# Altium PCB MT32Pi_Main.PcbDoc
Units mm, origin at the board's own origin, x right, y up, seen from the top; angles counter-clockwise.
Board outline 56 x 65 mm, 2 copper layers (F.Cu, B.Cu), stack 1.671 mm thick; 11 components, 15 nets, 98 pads, 27 vias.
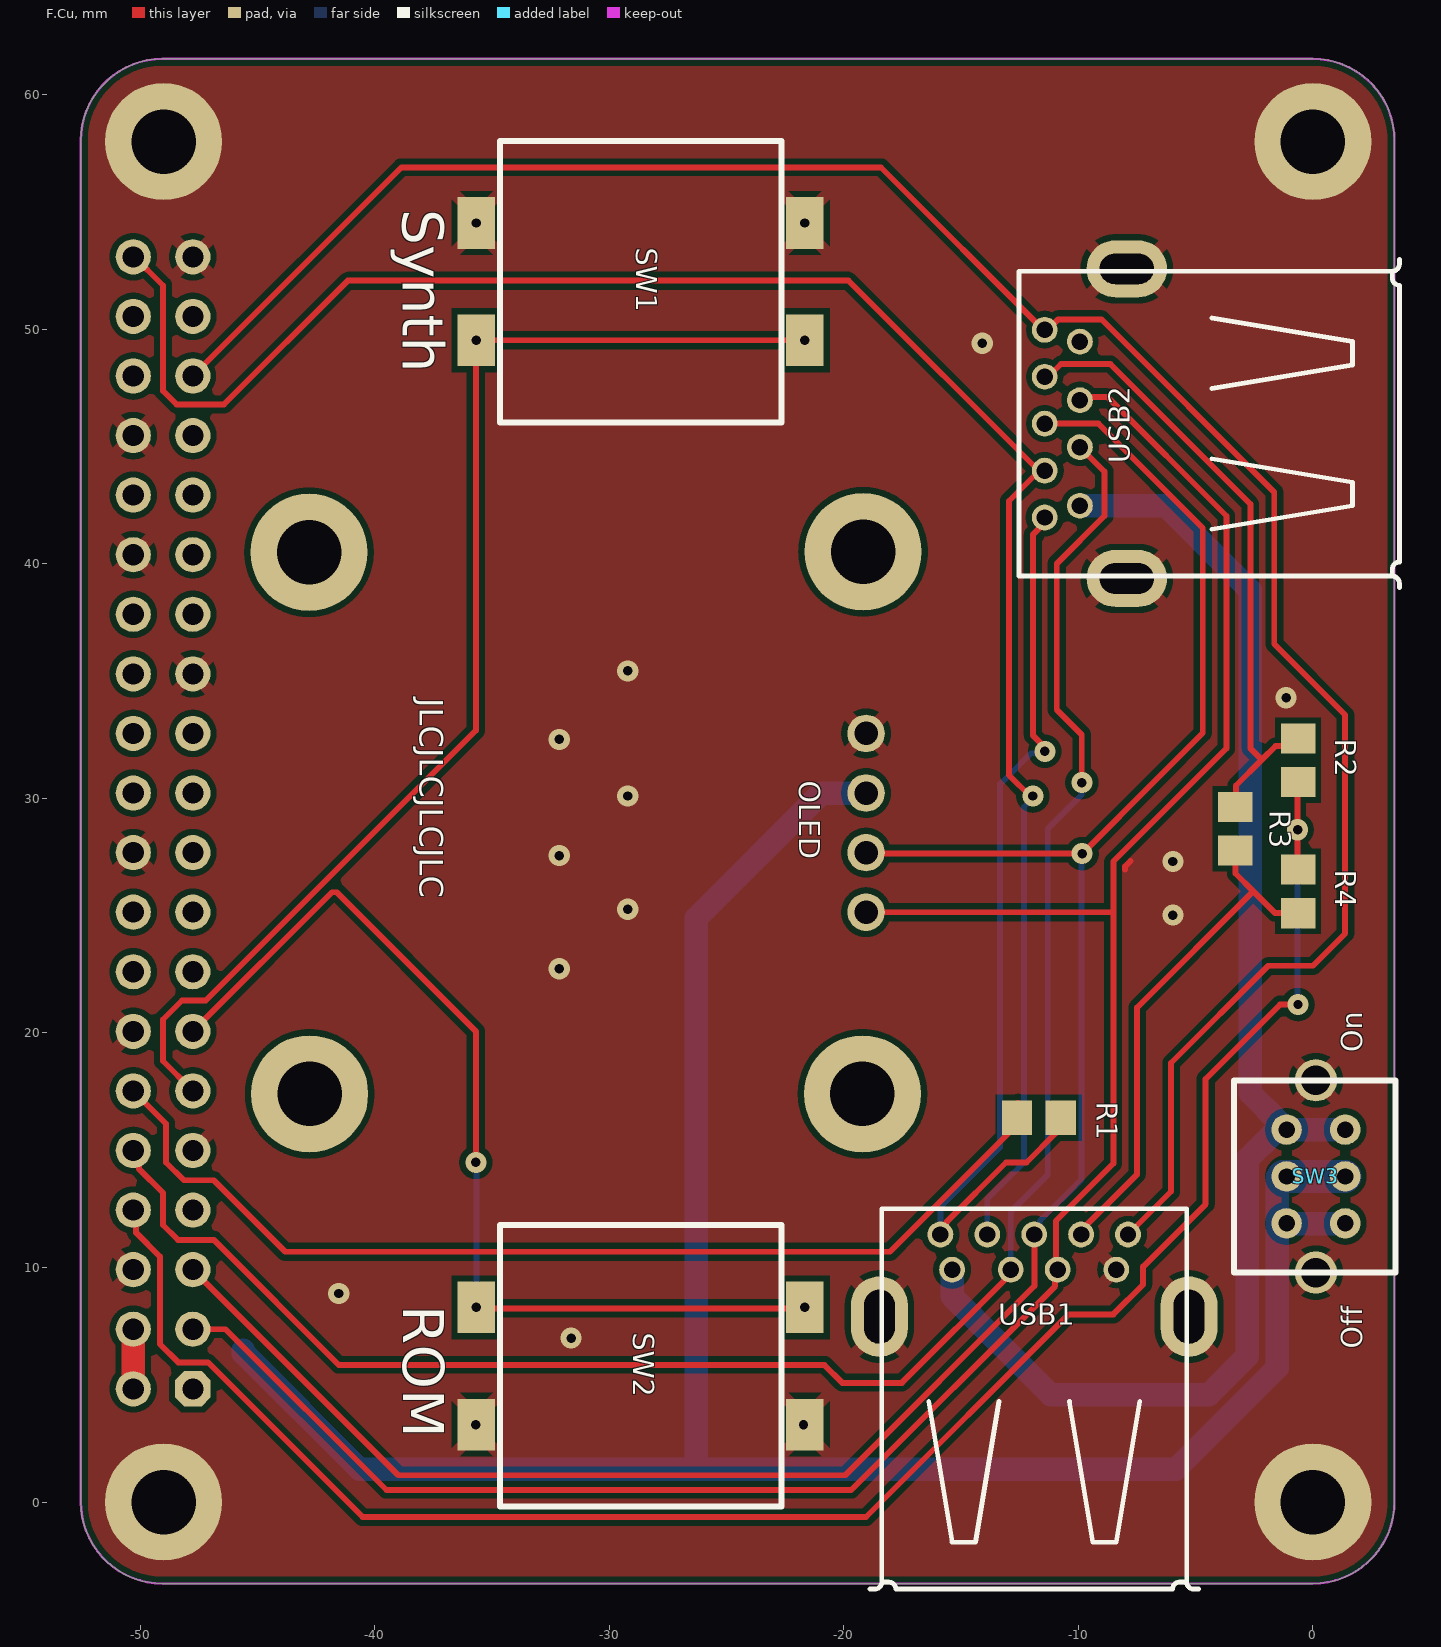
[diagram p0: F.Cu view]
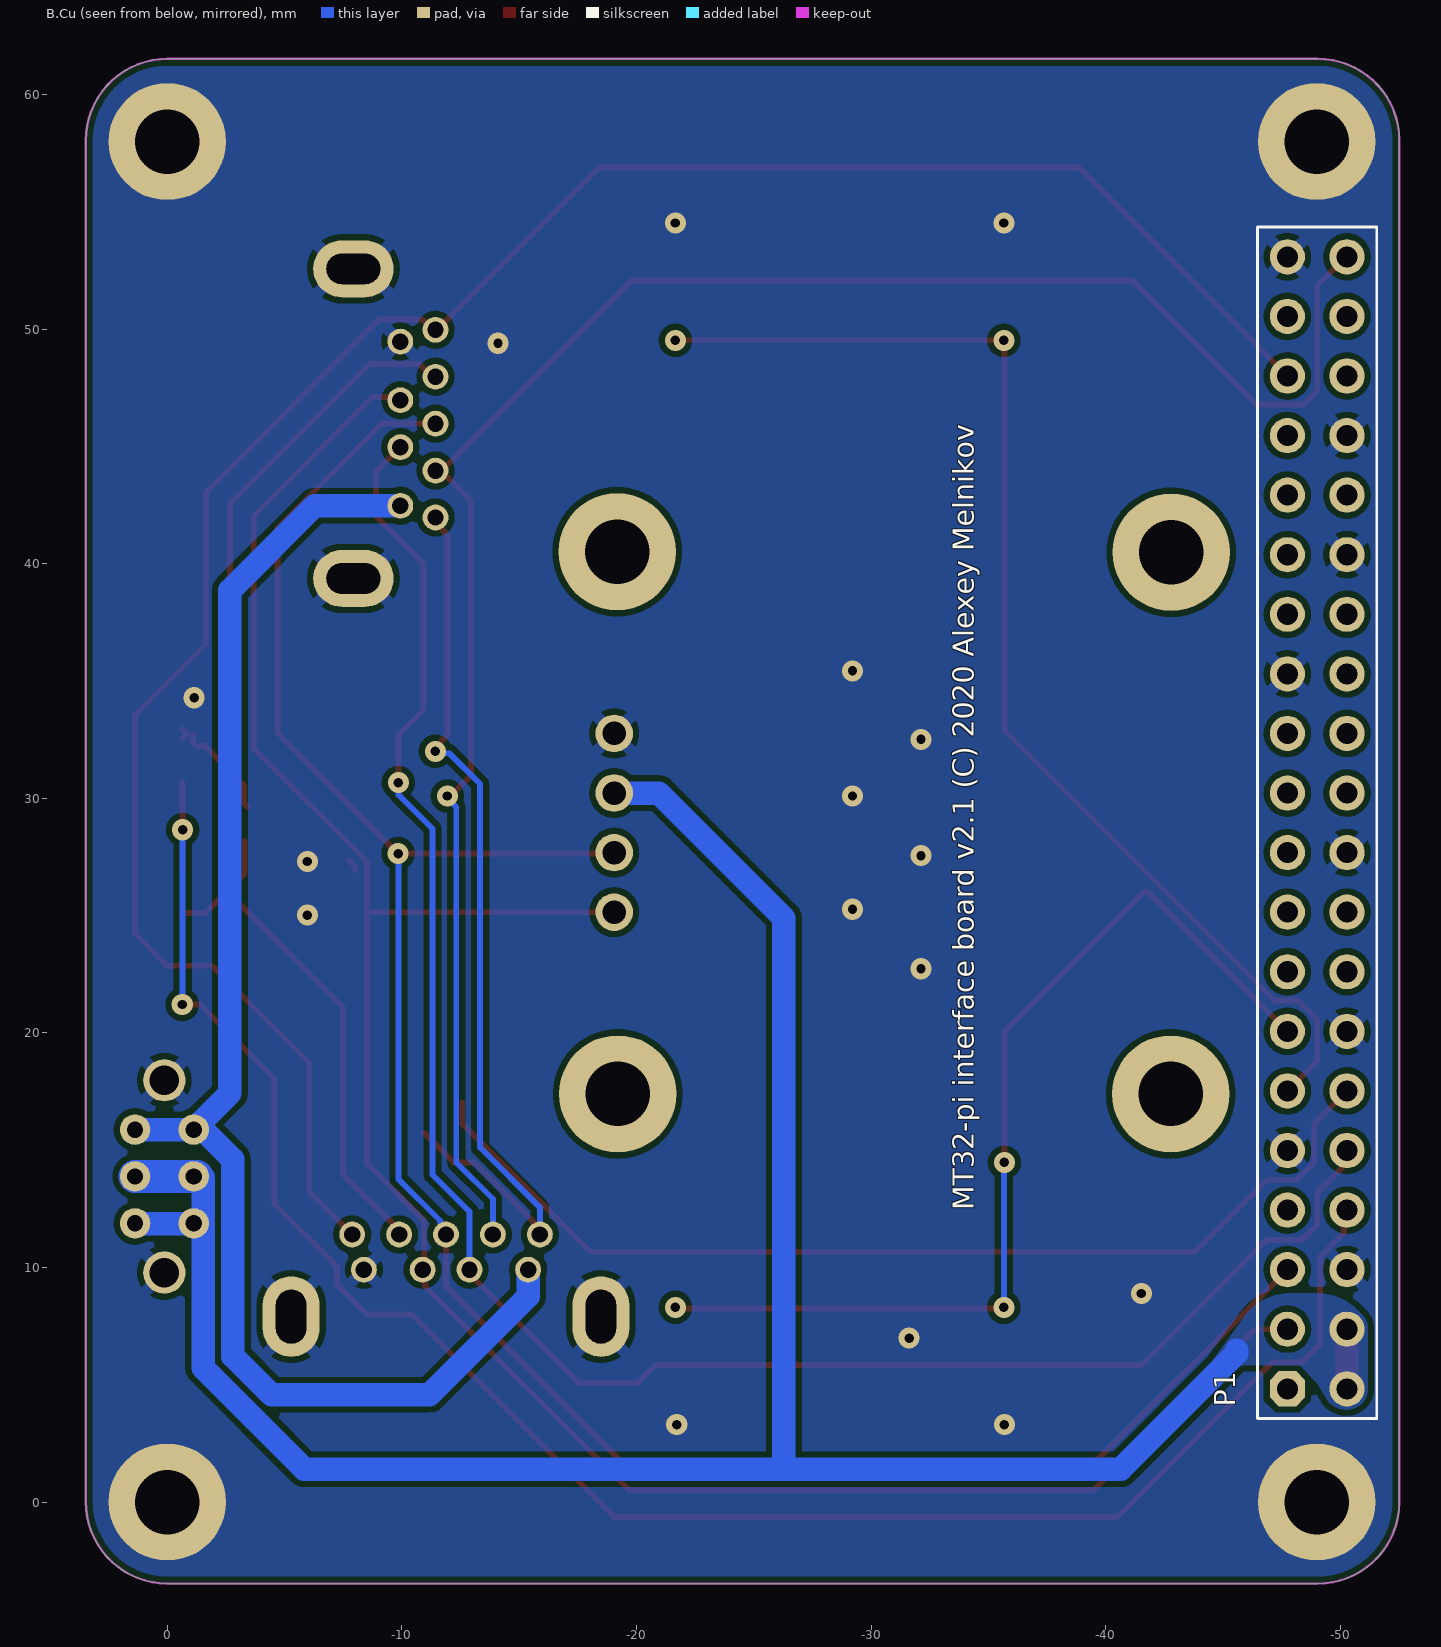
[diagram p1: B.Cu view, seen from below]
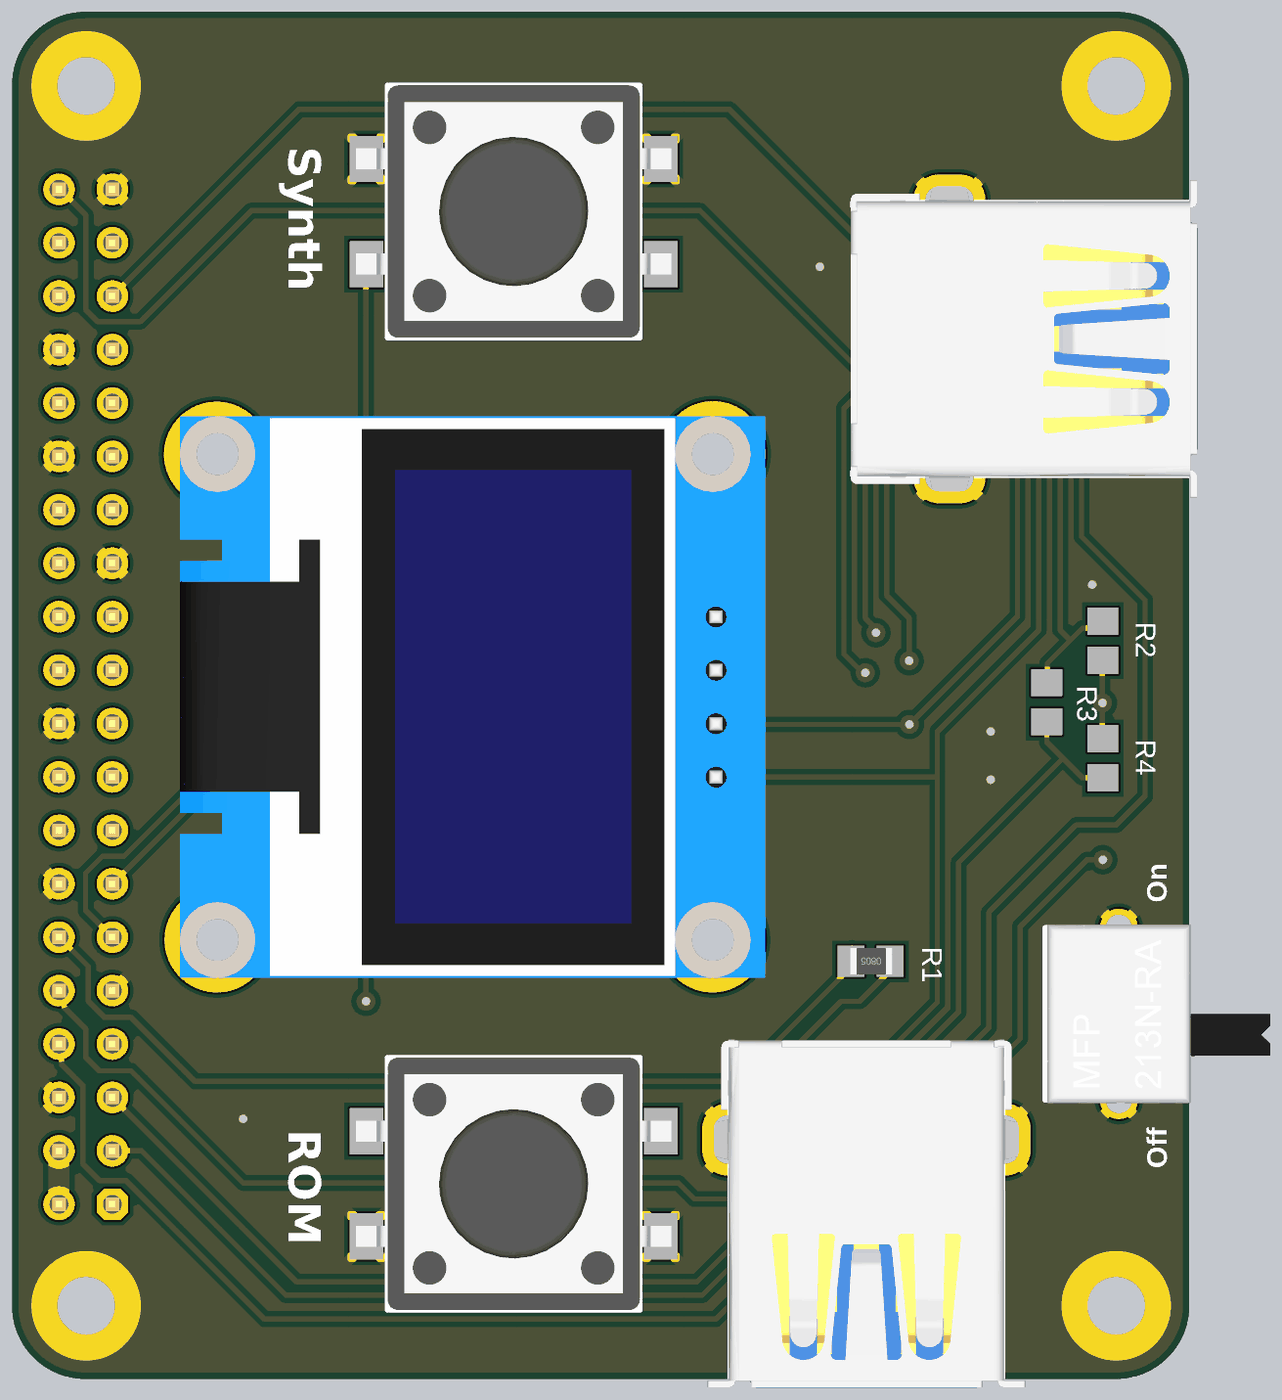
[diagram p2: 3D render of the assembled board from above, using the file's embedded part models]

## Layer stack, top to bottom
F.Mask: solder mask 0.0102, Solder Resist, Dk 3.5
F.Cu: signal copper 0.0356
Dielectric 1: dielectric 1.6, FR-4, Dk 4.8
B.Cu: signal copper 0.0356
B.Mask: solder mask 0.0102, Solder Resist, Dk 3.5

## Board outline
-52.525,0 ccw(c-49.05,0) -49.05,-3.475 0,-3.475 ccw(c0,0) 3.475,0 3.475,58.05 ccw(c0,58.05) 0,61.525 ccw(c0,61.5) 0,61.525 -49.05,61.525 cw(c-49.05,61.5) -49.05,61.525 ccw(c-49.05,58.05) -52.525,58.05

## Design rules (kind name [scope] priority, off if disabled: settings)
Clearance "Clearence Polygon" [All] p1: gap=0.254 ignorepadtopadclearanceinfootprint=FALSE
HoleSize "Hole Size (Default)" [All] p1: absolutevalues=TRUE maxlimit=10 minlimit=0.3 maxpercent=80.000 minpercent=20.000
MinimumSolderMaskSliver [All] p1: minsoldermaskwidth=0
PlaneClearance [All] p1: clearance=0.254
PolygonConnect ConnectDefault [All vs (InComponent('USB*') or InComponent('SW*') or InComponent('OLED') or InComponent('P1')) and not InNet('PWR')] p1: connectstyle=Relief reliefconductorwidth=0.508 reliefentries=4 polygonreliefangle="45 Angle" airgapwidth=0.254
PolygonConnect ConnectDefault_1 [All] p2: connectstyle=Direct reliefconductorwidth=0.5 reliefentries=4 polygonreliefangle="45 Angle" airgapwidth=0.254
RoutingVias [All] p1: holewidth=0.4 width=0.9 viastyle="Through Hole" minholewidth=0.3 minwidth=0.8 maxholewidth=1 maxwidth=1.5
SilkToSilkClearance [All] p1: silktosilkclearance=0
SilkToSolderMaskClearance [IsPad] p1: minsilkscreentomaskgap=0 clearancetoexposedcopper=TRUE
SolderMaskExpansion [All] p1: expansion=0.102 istentingtop=FALSE
Width [All] p1: maxlimit=10 minlimit=0.2 preferedwidth=0.25 minimp=50.000000 maximp=50.000000 favimp=50.000000
25 further rules are at their usual default settings.

## Components (designator, comment, footprint, x,y, rotation, side; value= is the part's Value field where it differs from the comment)
OLED "OLED" OLED_128x64 -29.21,28.956 r270 top locked
P1 "Header 20X2" HDR20x2 -47.752,4.826 r90 bottom locked
R1 "100" R0805 -11.684,16.383 r180 top
R2 "100" "R0805 - DNI" -0.635,31.623 r90 top
R3 "100" "R0805 - DNI" -3.302,28.702 r90 top
R4 "100" "R0805 - DNI" -0.635,26.035 r270 top
SW1 "tact 12x12" "tact 12x12" -28.662,52.029 r90 top locked
SW2 "tact 12x12" "tact 12x12" -28.662,5.801 r270 top locked
SW3 "Power" "SW DPDT" 0.127,13.879 r180 top locked
USB1 "USBA30-PTH" USB3-A-F-PTH -11.882,5.306 r0 top locked
USB2 "USBA30-PTH" USB3-A-F-PTH -5.334,45.974 r90 top locked

## Footprints (in the part's own frame and the unit in brackets; to place one, negate y for a bottom-side part, rotate by r counter-clockwise, add the part's x,y. Pads: shape width x height; smd on the part's side, far side on the other; paste and mask are expansions set on the pad)
HDR20x2 [mm] "Header, Vertical Receptacle, 2.54 mm pitch; 0.65 mm lead width, 40 pins, 2 rows, 20 pins per row, 50.80 mm L X 5.08 mm W X 11.00 mm H body"
  oct 1.5x1.5 hole 0.9 paste-1.5: 1(0,0)
  round 1.5 hole 0.9 paste-1.5: 2(0,-2.54) 3(2.54,0) 4(2.54,-2.54) 5(5.08,0) 6(5.08,-2.54) 7(7.62,0) 8(7.62,-2.54) 9(10.16,0) 10(10.16,-2.54) 11(12.7,0) 12(12.7,-2.54) 13(15.24,0) 14(15.24,-2.54) 15(17.78,0) 16(17.78,-2.54) 17(20.32,0) 18(20.32,-2.54) 19(22.86,0) 20(22.86,-2.54) 21(25.4,0) 22(25.4,-2.54) 23(27.94,0) 24(27.94,-2.54) 25(30.48,0) 26(30.48,-2.54) 27(33.02,0) 28(33.02,-2.54) 29(35.56,0) 30(35.56,-2.54) 31(38.1,0) 32(38.1,-2.54) 33(40.64,0) 34(40.64,-2.54) 35(43.18,0) 36(43.18,-2.54) 37(45.72,0) 38(45.72,-2.54) 39(48.26,0) 40(48.26,-2.54)
  silkscreen extent -1.27,-3.81 49.53,1.27, body extent -1.27,-3.81 49.53,1.27, height 11
OLED_128x64 [mm]
  round 1.6 hole 1: 1(-3.81,10.16) 2(-1.27,10.16) 3(1.27,10.16) 4(3.81,10.16)
  round 5 hole 2.75: ""(-11.557,10.033) ""(-11.532,-13.589) ""(11.557,10.008) ""(11.557,-13.564)
  body extent -13.34,-15.34 13.36,12.52, height 7.47
R0805 [mm] "Resistor, Chip; 2.32 mm L X 1.25 mm W X 1.00 mm H body"
  rect 1.29x1.47 smd: 1(-0.93,0) 2(0.93,0)
  body extent -1.03,-0.62 0.97,0.63, height 0.42
"R0805 - DNI" [mm] "Resistor, Chip; 2.32 mm L X 1.25 mm W X 1.00 mm H body"
  rect 1.29x1.47 smd: 1(-0.93,0) 2(0.93,0)
"SW DPDT" [mm]
  round 1.3 hole 0.7: 1(-1.25,2) 2(-1.25,0) 3(-1.25,-2) 4(1.25,-2) 5(1.25,0) 6(1.25,2)
  round 1.8 hole 1.25: 7(0,4.1) 7(0,-4.1)
  silkscreen extent -3.4,-4.1 3.5,4.1, body extent -7.2,-4.25 3.4,4.25, height 4.7
"tact 12x12" [mm]
  rect 2.2x1.6 smd: 1(-2.5,7) 2(2.5,7) 3(-2.5,-7) 4(2.5,-7)
  silkscreen extent -6,-6 6,6, body extent -6,-7.5 6,7.5, height 5.3
USB3-A-F-PTH [mm] "USB3-A-F-PTH"
  round 1.1 hole 0.7: D+(1,4.6) D-(-1,4.6) GND(3.5,4.6) GND2(0,6.1) RX+(2,6.1) RX-(4,6.1) TX+(-4,6.1) TX-(-2,6.1) VBUS(-3.5,4.6)
  oval 2.429x3.429 hole 1.3 slot 2.3 at 90 deg: GND(-6.6,2.6) GND(6.6,2.6)
  silkscreen extent -7,-9.02 7,7.2, body extent -7.74,-9.2 7.74,7.35, height 8.02

## Part data
OLED: "OLED 128x84 0.96\""
P1: "Header, 20-Pin, Dual row", LatestRevisionDate=17-Jul-2002, LatestRevisionNote="Re-released for DXP Platform.", Publisher="Altium Limited"
R1 R2 R3 R4: library part ERJ6RS, "Low Ohmic Value Thick Film Chip Resistor, 0.1 Ohm to 0.2 Ohm Range, 1%, 2% and 5% Tolerance, 0805 Size, 0.125 W", PackageDocument=Mar-2003, Code_IPC="2012 [0805]", ComponentLink1Description="Manufacturer Link", ComponentLink1URL=http://www.panasonic.com/industrial/components/resistive_products.htm, ComponentLink2Description=Datasheet, ComponentLink2URL=http://www.panasonic.com/industrial/components/pdf/AOA0000CE3.pdf, LatestRevisionDate=19-Mar-2004, LatestRevisionNote="Silkscreen size reduced.", PackageReference=6-0805, Published=17-Dec-2003, Publisher="Altium Limited"
SW3: library part "SW DPDT"
USB1 USB2: USB=USB

## Free pads (board coordinates)
  round 5 hole 2.75: ""(-49,0) ""(-49,58) ""(0,0) ""(0,58)

## Via types
v1: diameter 0.9, hole 0.4, F.Cu to B.Cu, tented both sides, 27 vias

## Nets (pads, with @x,y where several pads share a name; then routed paths per layer and width w, separated by ;. In a path a pad name is that pad's centre, name@x,y a point inside that pad or via, vN(x,y) a via of type N, cw(c..) or ccw(c..) an arc to the next point about the centre after c; other vN are vias at no path point)
BTN1: P1.11 SW1.1 SW1.3 | length 52.2
  F.Cu w0.25: P1.11@-47.802,17.575 -49.027,18.8 -49.027,20.569 -48.218,21.378 -47.202,21.378 -35.687,32.893 SW1.1@-35.687,49.141 ; SW1.1@-35.58,49.53 SW1.3@-21.58,49.53
  other v1: -35.662,49.526 -21.662,49.526
BTN2: P1.13 SW2.1 SW2.3 | length 42.8
  F.Cu w0.25: P1.13 -41.823,25.995 -41.616,25.995 -35.687,20.066 v1(-35.687,14.478) ; v1(-35.662,8.301) -35.616,8.255 -21.708,8.255 v1(-21.662,8.301)
  B.Cu w0.25: v1(-35.687,14.478) -35.662,14.453 v1(-35.662,8.301)
GND: OLED.1 P1.6 P1.9 P1.14 P1.20 P1.25 P1.30 P1.34 P1.39 pad. SW1.2 SW1.4 SW2.2 SW2.4 SW3.7 USB1.GND USB2.GND | length 0.5
  F.Cu w0.25: -8.005,26.963 -8.005,27.096 -7.772,27.33
  other v1: -35.687,3.302 -21.717,3.302 -31.623,6.985 -41.529,8.89 -32.131,22.733 -5.969,25.019 -29.21,25.273 -5.969,27.305 -32.131,27.559 -29.21,30.099 -32.131,32.512 -1.143,34.29 -29.21,35.433 -14.097,49.403 -35.662,54.529 -21.662,54.529
NetP1_12: P1.12 R1.2 | length 44.7
  F.Cu w0.25: P1.12 -48.895,16.129 -48.895,14.478 -48.133,13.716 -46.863,13.716 -43.815,10.668 -18.034,10.668 -12.573,16.129 R1.2@-12.573,17.018
NetR2_2: R2.2 R3.2 USB2.RX+ | length 27.4
  F.Cu w0.25: USB2.RX+ -11.276,47.974 -10.736,48.514 -8.636,48.514 -2.667,42.545 -2.667,32.131 -2.18,31.644 ; R3.2@-3.429,29.632 -3.276,29.785 -3.276,30.547 -2.18,31.644 ; R2.2@-1.107,32.716 -1.107,32.363 -1.245,32.224 -1.599,32.224 -2.18,31.644 ; R2.2 -0.836,32.754 R2.2@-0.635,32.955
NetR3_1: R3.1 R4.2 USB1.RX+ | length 22.4
  F.Cu w0.25: USB1.RX+ -9.882,11.581 -7.493,13.97 -7.493,21.082 -2.54,26.035 ; R3.1@-3.302,28.153 -3.302,26.797 -2.54,26.035 ; R4.2 -1.61,25.105 -2.54,26.035
PCM_CLK: R1.1 USB1.TX+ USB2.TX+ | length 40
  F.Cu w0.25: USB1.TX+ -15.882,11.636 -15.613,11.905 -15.613,11.946 -13.081,14.478 -12.209,14.478 R1.1@-10.949,15.738 ; USB2.TX+ -11.434,41.744 -11.938,41.24 -11.938,32.688 -11.43,32.18 v1(-11.43,32.004)
  B.Cu w0.25: USB1.TX+ -15.882,12.566 -13.335,15.113 -13.335,30.607 -12.017,31.925 -11.509,31.925 v1(-11.43,32.004)
PCM_DOUT: P1.40 USB1.TX- USB2.TX- | length 84.2
  F.Cu w0.25: P1.40@-50.29,53.135 -49.022,51.867 -49.022,47.371 -48.448,46.797 -46.421,46.797 -41.148,52.07 -19.799,52.07 USB2.TX-@-11.703,43.974 ; USB1.TX-@-14.001,11.525 USB1.TX- ; v1(-11.938,30.099) -12.065,30.099 -12.954,30.988 -12.954,42.672 -11.652,43.974 USB2.TX-
  B.Cu w0.25: USB1.TX- -13.882,12.915 -12.319,14.478 -12.319,29.628 -11.938,30.009 v1(-11.938,30.099)
PCM_FS: P1.35 USB1.RX- USB2.RX- | length 93.7
  F.Cu w0.25: P1.35 -38.862,56.896 -18.415,56.896 -11.493,49.974 -11.308,49.974 -10.863,50.419 -9.017,50.419 -1.651,43.053 -1.651,36.576 1.376,33.549 1.376,24.236 0,22.86 -1.905,22.86 -6.052,18.713 -6.052,13.236 USB1.RX-
PWR: OLED.2 P1.2 P1.4 SW3.1 SW3.2 SW3.5 SW3.6 | length 96.8
  F.Cu w1: P1.2 P1.4
  B.Cu w1: -45.593,6.477 -45.593,6.35 -40.64,1.397 -26.289,1.397 ; OLED.2 -20.955,30.226 -26.289,24.892 -26.289,1.397 ; SW3.5@-1.527,13.843 -1.527,11.866 -1.527,9.094 -1.524,9.091 -1.524,5.72 -5.847,1.397 -26.289,1.397 ; SW3.6 -1.11,11.866 1.364,11.866 SW3.1
  B.Cu w1.4: SW3.5@-1.271,13.879 SW3.5 SW3.2
RXD: P1.10 USB1.D- USB2.D- | length 82.4
  F.Cu w0.25: P1.10 -50.053,14.747 -50.053,14.211 -49.022,13.18 -49.022,11.811 -48.387,11.176 -46.863,11.176 -41.529,5.842 -20.828,5.842 -20.066,5.08 -17.526,5.08 -12.882,9.724 USB1.D- ; USB2.D- -8.89,43.93 -8.89,42.037 -10.922,40.005 -10.922,33.782 -9.856,32.716 v1@-9.856,30.671
  B.Cu w0.25: USB1.D- -12.882,12.379 -11.303,13.958 -11.303,28.702 -9.856,30.149 v1@-9.856,30.307
  other v1: -9.849,30.671
SCL: OLED.3 P1.5 USB1.GND2 USB2.GND2 | length 96.6
  F.Cu w0.25: P1.5 -38.989,1.143 -19.939,1.143 -11.875,9.207 USB1.GND2@-11.875,11.406 ; OLED.3@-19.685,27.559 OLED.3@-19.134,27.559 ; OLED.3 -19.046,27.682 -19.042,27.686 -18.999,27.643 v1@-9.822,27.643 ; OLED.3@-19.007,27.94 OLED.3@-18.891,28.056 ; USB2.GND2 -9.144,45.974 -4.699,41.529 -4.699,32.783 -6.604,30.878 v1(-9.838,27.643)
  B.Cu w0.25: USB1.GND2 -11.882,11.636 -11.645,11.873 -11.645,11.977 -9.858,13.764 v1@-9.858,27.601
SDA: OLED.4 P1.3 USB1.D+ USB2.D+ | length 98
  F.Cu w0.25: P1.3 -46.355,7.366 -39.497,0.508 -19.685,0.508 -10.989,9.204 -10.989,9.941 -10.953,9.977 -10.953,11.985 -8.509,14.429 -8.509,25.146 ; OLED.4 -8.509,25.146 ; USB2.D+ -9.791,47.117 -8.763,47.117 -3.683,42.037 -3.683,32.131 -8.509,27.305 -8.509,25.146
TXD: P1.8 R2.1 R4.1 | length 81.6
  F.Cu w0.25: P1.8 -50.168,12.322 -50.168,11.479 -49.149,10.46 -49.149,6.731 -48.373,5.955 -47.103,5.955 -40.513,-0.635 -19.05,-0.635 -10.414,8.001 -8.509,8.001 -7.239,9.271 -7.239,10.033 -4.572,12.7 -4.572,18.034 -1.397,21.209 v1(-0.635,21.209) ; R4.1 -0.653,26.983 v1(-0.653,28.663) -0.653,30.675 R2.1
  B.Cu w0.25: v1(-0.653,28.663) -0.653,21.227 v1(-0.635,21.209)
VCC: SW3.3 SW3.4 USB1.VBUS USB2.VBUS | length 61.6
  B.Cu w1: USB1.VBUS -15.382,8.778 -11.176,4.572 -4.445,4.572 -2.794,6.223 -2.794,14.605 -1.577,15.822 -1.18,15.822 SW3.4 ; USB2.VBUS -6.279,42.474 -2.667,38.862 -2.667,17.423 -1.449,16.204 SW3.4 ; SW3.3 SW3.4
pads on no net: OLED. P1.1 P1.7 P1.15 P1.16 P1.17 P1.18 P1.19 P1.21 P1.22 P1.23 P1.24 P1.26 P1.27 P1.28 P1.29 P1.31 P1.32 P1.33 P1.36 P1.37 P1.38

## Polygon pours and split planes (outlines as drawn)
GND on B.Cu "B.Cu-GND" (solid, remove dead copper, pour order 1): -52.53,61.525 3.475,61.525 3.475,-3.475 -52.437,-3.475
PWR on B.Cu "power" (solid, remove dead copper, pour order 0): -44.05,5.334 -46.045,8.072 -46.134,8.161 ccw(c-47.93,6.365) -47.93,8.905 -48.971,8.905 ccw(c-48.971,6.365) -50.767,8.161 -50.927,8.001 ccw(c-50.314,7.388) -51.181,7.388 -51.181,4.826 ccw(c-50.292,4.826) -50.292,3.937 ccw(c-50.292,5.048) -49.506,4.262 -49.007,5.095 -48.272,5.83 -46.171,5.83 -45.991,5.83 cw(c-45.991,4.963) -45.377,5.576 ccw(c-44.793,6.16) -44.793,5.334
GND on F.Cu "F.Cu-GND" (solid, remove dead copper, pour order 2): -52.614,61.525 3.475,61.525 3.475,-3.475 -52.52,-3.475

## Keep-outs
Edge.Cuts:
  lines w0.1: -49.05,61.525 ccw(c-49.05,58.05) -52.525,58.05 -52.525,0 ccw(c-49.05,0) -49.05,-3.475 0,-3.475 ccw(c0,0) 3.475,0 3.475,58.05 ccw(c0,58.05) 0,61.525 -49.05,61.525 ; -49.05,61.525 ccw(c-49.05,61.5) -49.05,61.525 ; -49.05,61.525 -49.05,61.525 ; -49.05,61.525 -49.05,61.525

## Silkscreen, mask and mechanical layers (free items; w line width, h text height)
F.SilkS:
  text "Synth" at -39.371,55.117 h3 r270
  text "JLCJLCJLCJLC" at -38.077,34.267 h1 r270
  text "On" at 2.397,19.177 h1.52 r90
  text "ROM" at -39.365,8.381 h3 r270
  text "Off" at 2.404,6.539 h1.52 r90
B.SilkS:
  text "MT32-pi interface board v2.1 (C) 2020 Alexey Melnikov" at -34.671,12.446 h1.52 r270

## Text inside footprints (layer, text, board x,y; h text height)
USB1: Mechanical 18 "AMP 787616-1" at -7.322,-0.816 h0.86 r180
USB2: Mechanical 18 "AMP 787616-1" at 0.788,50.534 h0.86 r270